# Altium PCB MAIN_BORAD.PcbDoc (part 2 of 3)
Units mm, origin at the board's own origin, x right, y up, seen from the top; angles counter-clockwise.
Board outline 92 x 100 mm, 2 copper layers (Top Layer, Bottom Layer), stack 1.471 mm thick; 222 components, 159 nets, 798 pads, 557 vias.
Unrouted connection lines stored in the file: 1.
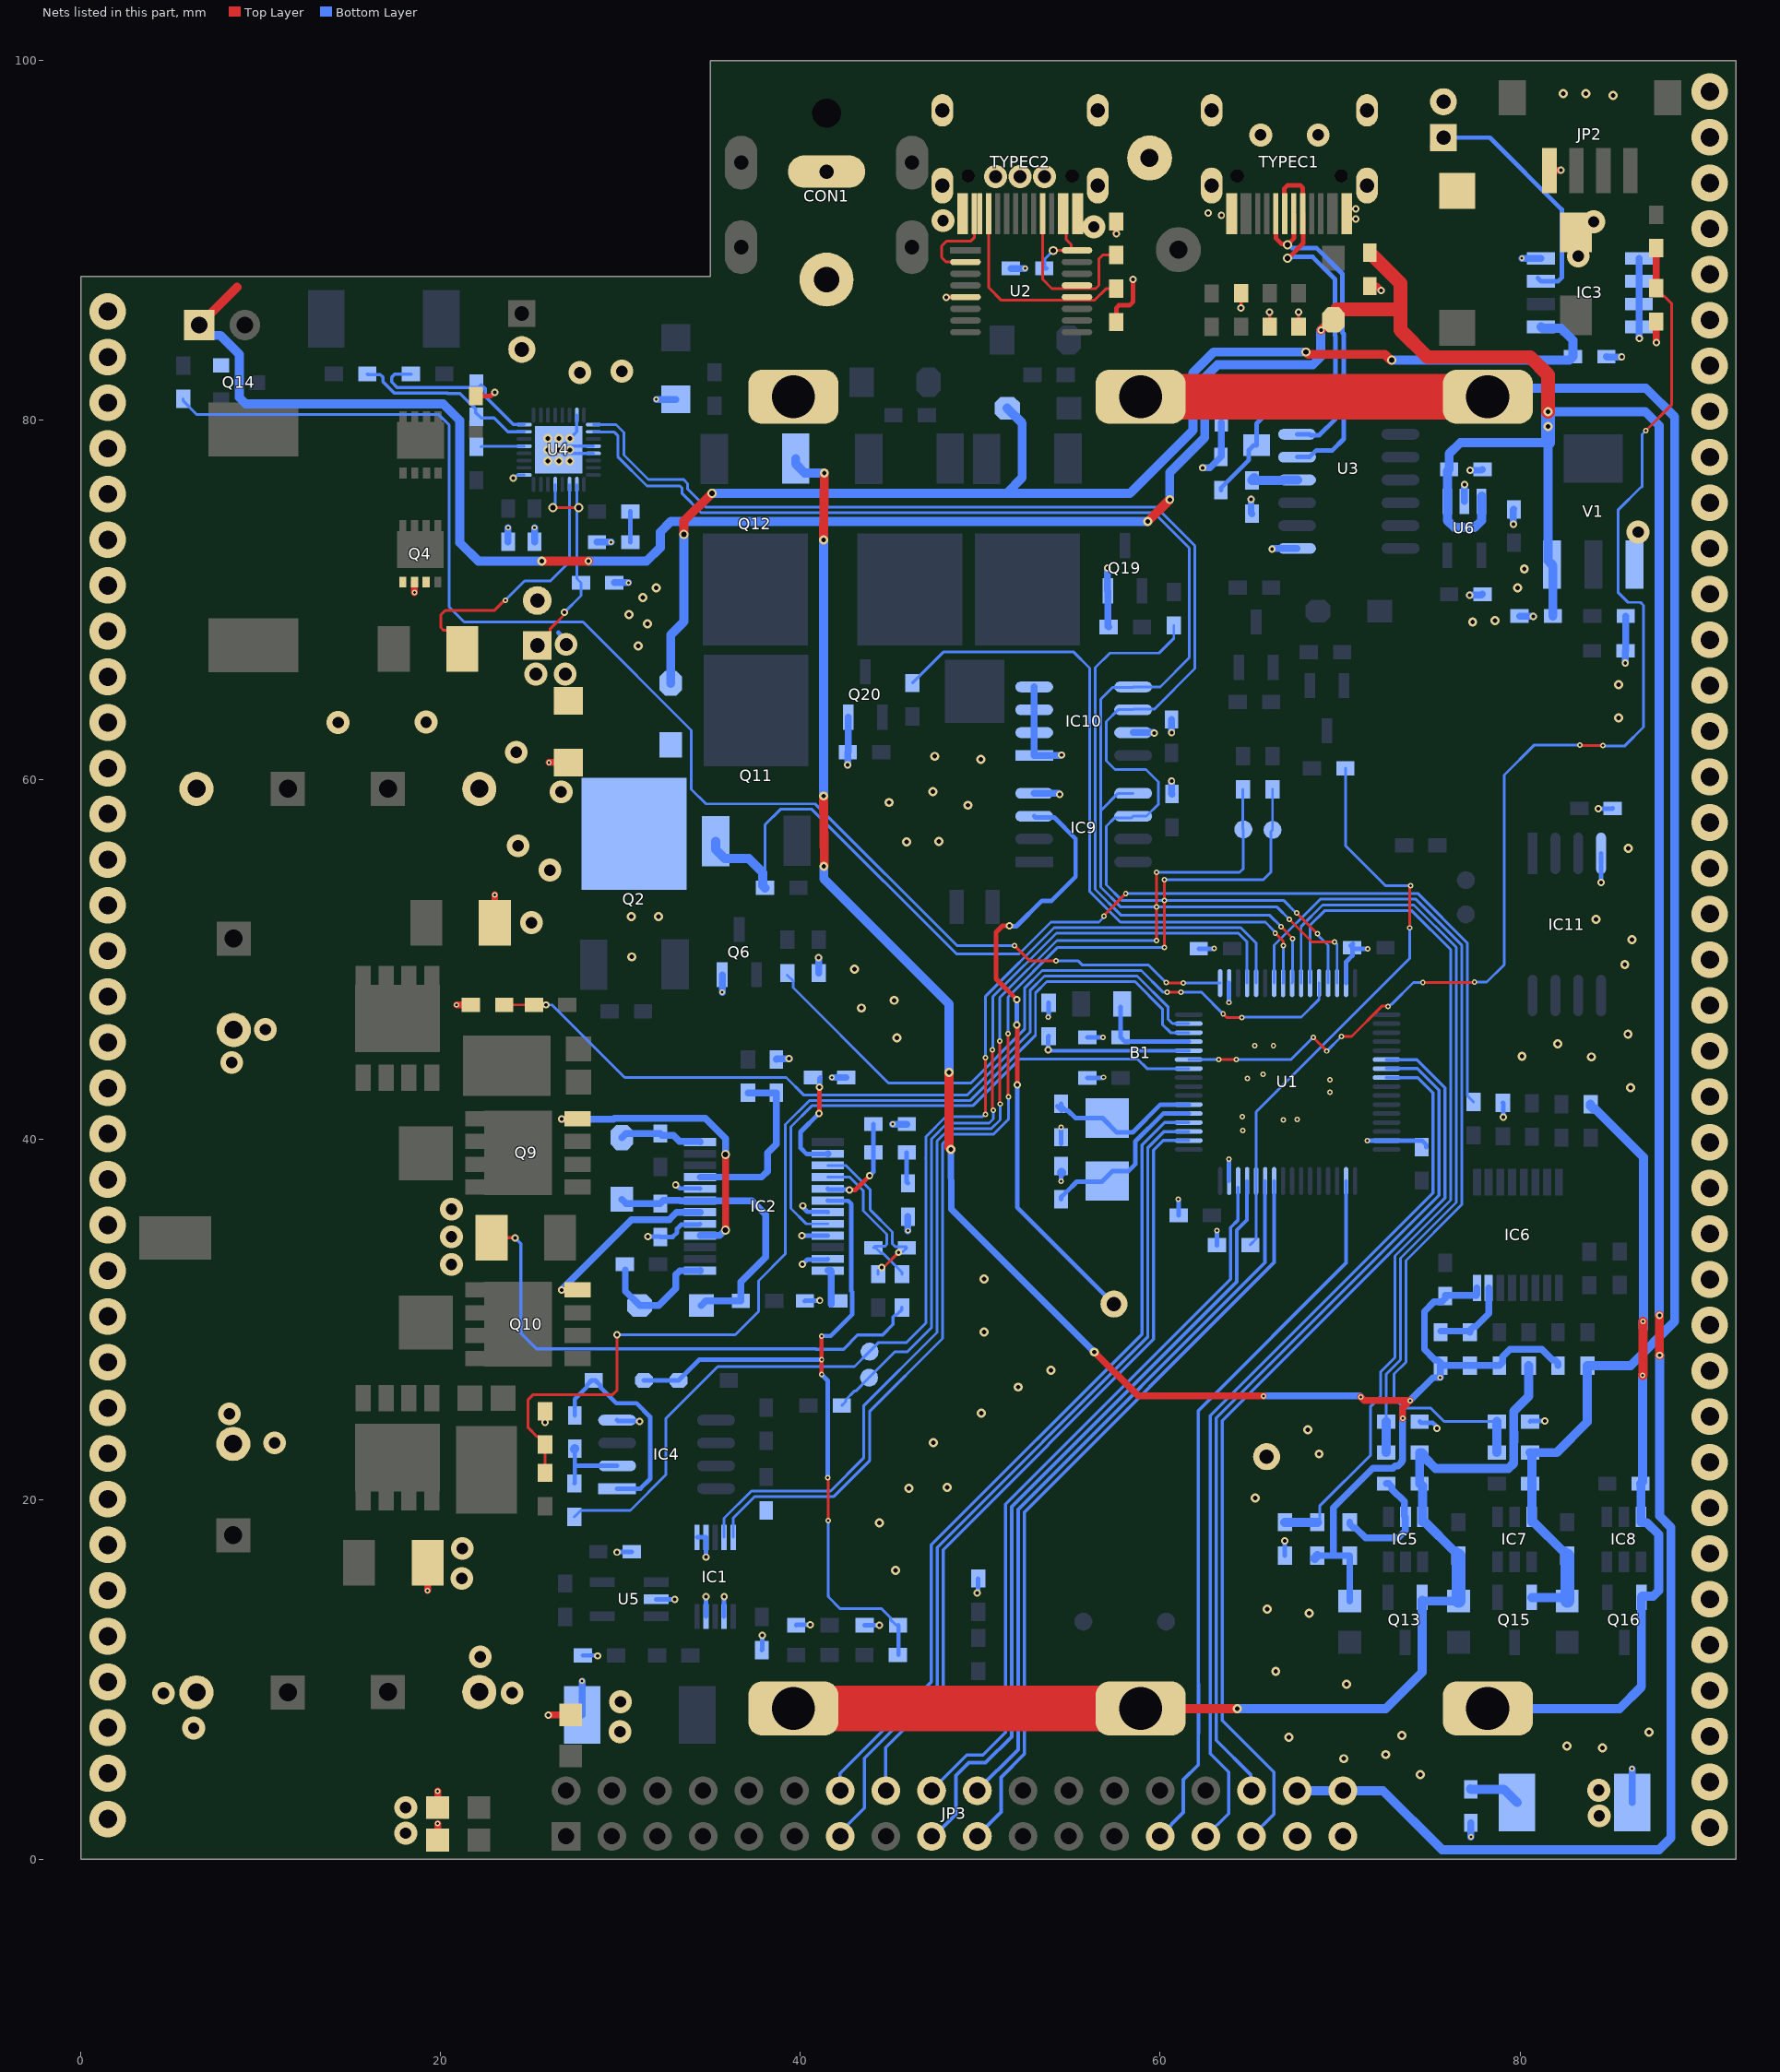
[diagram p2: the nets of this part, all layers, seen from the top]

## Via types
v1: diameter 0.305, hole 0.152, Top Layer to Bottom Layer, 193 vias
v2: diameter 0.508, hole 0.254, Top Layer to Bottom Layer, 114 vias
v3: diameter 0.406, hole 0.203, Top Layer to Bottom Layer, 102 vias
v4: diameter 2.032, hole 1.016, Top Layer to Bottom Layer, 73 vias
v5: diameter 1.27, hole 0.635, Top Layer to Bottom Layer, 35 vias
v6: diameter 0.508, hole 0.305, Top Layer to Bottom Layer, 25 vias
v7: diameter 1.27, hole 0.711, Top Layer to Bottom Layer, 14 vias
v8: diameter 0.762, hole 0.381, Top Layer to Bottom Layer, 1 vias

## Nets (pads, with @x,y where several pads share a name; then routed paths per layer and width w, separated by ;. In a path a pad name is that pad's centre, name@x,y a point inside that pad or via, vN(x,y) a via of type N, cw(c..) or ccw(c..) an arc to the next point about the centre after c; other vN are vias at no path point) (continued)
5V: C37.1 C46.2 C55.2 D1.2 E7.1 FAN.1 IC3.3 JP3.34 JP3.36 L3.2 U6.1 U6.3 V1.3 | length 253
  Top Layer w0.508: FAN.1@6.579,85.293 8.675,87.39 ; v2(25.629,72.161) v3(28.219,72.161) ; v2(59.309,74.371) v2(60.528,75.59) ; v3(68.936,85.014) 69.063,85.141 69.072,85.141 69.516,85.585 D1.2@69.621,85.585 ; v3(87.75,30.226) 87.75,28.023 v3(87.757,28.016)
  Top Layer w0.762: D1.2@69.814,86.157 73.355,86.157 ; C37.1@71.653,89.319 71.653,89.192 71.78,89.192 73.355,87.617 73.355,86.157 ; v2(81.559,80.467) 81.559,82.525 80.569,83.515 74.854,83.515 73.355,85.014 73.355,86.157
  Bottom Layer w0.254: E7.1@75.743,95.714 78.327,95.714 82.321,91.719 82.321,87.926 82.118,87.723 81.172,87.723 IC3.3@81.164,87.732 IC3.3@80.995,87.9
  Bottom Layer w0.508: FAN.1@6.579,85.293 7.155,84.717 7.764,84.717 8.814,83.668 8.814,81.267 9.176,80.905 20.136,80.905 21.057,79.985 21.057,73.203 22.098,72.161 v2(25.629,72.161) ; v3(28.219,72.161) 31.445,72.161 32.207,72.923 32.207,73.787 32.791,74.371 v2(59.309,74.371) ; v2(60.528,75.59) 60.528,77.089 62.473,79.034 62.473,82.367 63.189,83.083 68.48,83.083 68.924,83.527 68.924,85.002 v3(68.936,85.014) ; JP3.34@67.615,3.81 JP3.36@70.155,3.81 72.39,3.81 75.667,0.533 87.732,0.533 88.392,1.194 88.392,18.44 87.757,19.075 v3(87.757,28.016) ; E7.1@75.247,95.218 E7.1@75.743,95.714 ; U6.3@77.882,75.783 77.861,75.762 U6.3@77.861,75.49 77.861,74.432 77.47,74.041 76.352,74.041 75.961,74.432 U6.1@75.961,75.49 75.961,77.168 C55.2@76.06,77.267 76.06,78.143 76.683,78.765 81.559,78.765 81.559,72.191 V1.3@81.774,71.976 81.826,71.924 C46.2@81.826,69.113 ; v2(81.559,80.467) 86.97,80.467 87.732,79.705 87.732,30.245 v3(87.75,30.226)
  Bottom Layer w0.762: 81.559,78.765 v2(81.559,79.654) v2(81.559,80.467)
AGND: B2.2 C1.1 C2.1 C3.2 C4.1 C5.1 C7.1 C8.2 C9.1 C11.2 C12.1 C13.1 C14.1 C18.1 C20.1 C21.2 C23.1 C29.2 C30.2 C31.2 C32.1 C34.2 C35.2 C36.2 C37.2 C38.2 C39.2 C45.1 C46.1 C47.1 C53.1 C54.1 C55.1 C56.1 CON1.2 D7.1 E1.2 E2.2 E3.2 E4.2 E5.2 E6.2 E7.2 E8.2 E9.2 EK1.1 EK2.1 EK3.2 EK4.2 IC1.1 IC1.2 IC1.7 IC1.9 IC2.7 IC2.9 IC2.11 IC2.17 IC2.20 IC3.4 IC3.5 IC3.6 IC3.7 IC3.8 IC4.4 IC9.4 IC10.1 IC10.2 IC10.3 IC10.4 IC10.7 IC11.4 JP2.4 JP3.33 JP3.35 NTC1.1 NTC2.1 Q4.1 Q4.2 Q4.3 Q6.2 Q14.2 Q19.2 Q20.2 R3.2 R9.2 R13.1 R17.1 R22.2 R26.1 R27.1 R30.1 R32.2 R33.1 R47.1 R52.1 R54.2 R58.1 R63.2 R64.2 R66.2 R67.2 R68.2 R72.1 R73.2 R74.1 TYPEC1.0 TYPEC1.A1 TYPEC1.A12 TYPEC1.B1 TYPEC1.B12 TYPEC2.0 TYPEC2.A1 TYPEC2.A12 TYPEC2.B1 TYPEC2.B12 U1.12 U2.5 U3.1 U4.7 U4.12 U4.13 U4.25 U4.33 U5.2 U6.2 V1.1 | length 140.8
  Top Layer w0.178: R17.1@22.835,34.544 v3(24.13,34.544) ; v3(25.806,24.282) NTC1.1@25.806,24.905 ; v3(64.491,86.233) R64.2@64.491,87.058 ; v3(66.065,86.004) 66.091,85.979 R74.1@66.091,85.204 ; R73.2@67.691,85.204 v3(67.691,86.004)
  Top Layer w0.203: U2.5@49.143,86.817 U2.5@49.173,86.848
  Top Layer w0.254: C11.2@21.958,81.343 22.787,81.343 23.003,81.559 v3(23.012,81.559) ; v3(48.108,86.843) 48.113,86.848 U2.5@49.173,86.848 ; R9.2@57.556,85.458 57.556,86.237 57.705,86.385 58.293,86.385 58.496,86.589 v3(58.496,87.824)
  Top Layer w0.381: v1(18.547,70.417) 18.547,70.454 Q4.2@18.547,70.997 ; v1(19.279,14.935) EK1.1@19.279,16.485 ; C3.2@19.837,1.067 v1(19.837,1.981) ; C35.2@19.837,2.87 v1(19.837,3.785) ; v1(20.892,47.498) NTC2.1@21.679,47.498 ; EK2.1@23.012,52.07 v1(23.012,53.619) ; v3(25.984,8.001) 25.991,8.001 26.016,8.026 C38.2@27.229,8.026 ; v1(26.022,60.973) EK3.2@27.102,60.973 ; v3(57.556,90.373) R3.2@57.556,91.046 ; C37.2@71.653,87.465 72.031,87.465 v3(72.288,87.208) ; JP2.4@81.637,93.878 81.662,93.904 v3(82.271,93.904) ; v3(87.579,84.328) R32.2@87.579,85.484
  Bottom Layer w0.152: v3(24.028,76.784) 24.054,76.784 24.205,76.935 24.282,76.935 24.306,76.959 U4.25@24.643,76.959
  Bottom Layer w0.178: v3(24.13,34.544) 24.46,34.214 24.46,29.251 25.339,28.372 40.861,28.372 40.874,28.359 42.405,28.359 43.18,29.134 44.162,29.134 44.175,29.146 44.571,29.146 45.148,29.724 45.148,30.147 45.253,30.251 45.333,30.251 45.644,30.562 R22.2@45.644,30.67 ; U4.7@27.568,80.284 27.568,79.359 U4.33@26.768,78.559 ; U4.13@28.493,78.159 26.768,78.159 v2(26.568,78.359) U4.33@26.768,78.559 ; U4.12@28.493,78.559 U4.33@26.768,78.559
  Bottom Layer w0.203: v3(53.772,45.009) 53.811,44.97 53.954,44.97 53.969,44.956 U1.12@61.582,44.956
  Bottom Layer w0.254: R33.1@27.902,11.328 28.702,11.328 v3(28.727,11.303) ; v3(29.794,17.069) 29.82,17.094 C36.2@30.62,17.094 ; IC4.4@29.813,24.409 29.86,24.362 31.035,24.362 v3(31.064,24.333) ; v3(31.521,34.608) 32.194,34.608 C32.1@32.207,34.595 32.899,34.595 33.142,34.838 33.142,35.054 33.365,35.278 34.379,35.278 IC2.17@34.423,35.322 ; U5.2@31.98,14.453 v3(33.02,14.453) ; v3(33.071,37.49) 33.122,37.44 33.147,37.44 33.291,37.296 34.399,37.296 IC2.20@34.423,37.272 ; IC1.1@34.255,17.897 IC1.2@34.755,17.897 34.755,16.797 v3(34.747,16.789) ; IC1.9@34.755,13.497 v3(34.755,14.592) ; IC1.7@35.755,13.497 35.755,14.597 v3(35.763,14.605) ; C18.1@37.846,11.62 37.871,11.646 v3(37.871,12.446) ; R52.1@39.764,13.007 39.787,13.03 v3(40.538,13.03) ; v3(40.081,34.671) IC2.9@41.523,34.672 ; v3(40.107,33.071) 40.118,33.071 40.393,33.346 41.497,33.346 IC2.11@41.523,33.372 ; v3(40.132,36.322) 40.132,36.271 40.157,36.246 40.157,36.22 40.391,35.987 41.508,35.987 IC2.7@41.523,35.972 ; C34.2@40.246,31.039 40.272,31.064 v3(41.072,31.064) ; R27.1@43.574,13.007 44.397,13.007 v3(44.399,13.005) ; v3(49.835,14.808) 49.886,14.859 R63.2@49.886,15.608 ; v3(53.772,45.009) 53.772,45.733 R26.1@53.797,45.758 ; R66.2@66.929,16.878 v3(66.929,17.704) ; R67.2@74.422,24.333 74.502,24.253 75.162,24.253 75.311,24.105 75.311,24.07 75.387,23.993 v3(75.387,23.952) ; R47.1@79.045,42.05 79.07,42.024 v3(79.07,41.25) ; R68.2@80.562,24.333 80.588,24.359 v3(81.382,24.359) ; v3(84.353,58.395) 85.128,58.395 C21.2@85.153,58.42 ; v3(84.506,54.305) IC11.4@84.506,55.918
  Bottom Layer w0.381: C12.1@23.749,73.241 v1(23.749,74.028) ; C13.1@25.222,73.241 v1(25.222,74.028) ; R30.1@27.864,8.026 27.864,9.869 v1(27.864,9.906) ; C8.2@28.689,73.228 v1(29.477,73.228) ; C14.1@29.654,70.968 v1(30.442,70.968) ; v1(31.991,81.166) EK4.2@33.071,81.166 ; v1(35.651,48.195) 35.651,48.231 Q6.2@35.651,49.174 ; C31.2@38.659,44.463 38.692,44.496 39.365,44.496 v3(39.37,44.501) ; v3(41.011,50.114) 41.011,49.273 R13.1@41.021,49.263 ; v1(41.758,43.459) C23.1@42.545,43.459 ; v3(42.621,60.833) 42.626,60.838 42.626,61.536 R72.1@42.634,61.544 42.662,61.572 Q20.2@42.662,63.5 ; v1(45.123,40.869) C30.2@45.91,40.869 ; v1(45.974,34.938) C29.2@45.974,35.725 ; C5.1@51.702,88.443 v1(52.489,88.443) ; IC9.4@52.996,59.258 54.356,59.258 v3(54.407,59.207) ; IC10.4@52.996,65.176 IC10.3@52.996,63.906 IC10.2@52.996,62.636 IC10.1@52.996,61.366 54.483,61.366 v3(54.508,61.392) ; v3(57.074,71.78) 57.074,70.526 Q19.2@57.089,70.511 57.089,68.552 R58.1@57.137,68.504 ; IC10.7@58.496,62.636 59.639,62.636 v3(59.665,62.611) ; v3(60.63,59.944) 60.635,59.939 60.635,59.241 C2.1@60.655,59.22 ; v3(60.63,62.636) C7.1@60.63,63.36 ; v3(62.357,77.359) 62.767,77.359 C9.1@63.373,77.965 63.398,77.991 C20.1@63.398,79.87 ; v3(65.049,75.616) 65.049,74.854 C4.1@65.1,74.803 ; v3(66.218,72.847) 66.225,72.847 66.25,72.873 U3.1@67.608,72.873 ; U6.2@76.911,75.49 v3(76.911,76.429) ; v3(77.191,70.282) 77.864,70.282 C54.1@77.915,70.333 ; v3(77.216,77.216) 77.221,77.221 77.869,77.221 C55.1@77.915,77.267 ; v1(77.267,1.232) C53.1@77.267,2.019 ; v3(79.629,74.219) 79.634,74.224 79.634,75.024 C56.1@79.654,75.044 ; C46.1@79.972,69.113 80.721,69.113 v3(80.747,69.088) ; v1(80.11,89.002) IC3.4@81.164,89.002 ; C1.1@84.798,83.541 84.818,83.52 85.644,83.52 v3(85.649,83.515) ; v3(85.852,66.497) 85.857,66.502 85.857,67.175 C45.1@85.865,67.183 85.877,67.196 C47.1@85.877,69.113 ; R54.2@86.233,3.15 86.233,4.993 v1(86.233,5.029) ; IC3.5@86.614,89.002 IC3.6@86.614,87.732 IC3.7@86.614,86.462 IC3.8@86.614,85.192 86.614,84.582 v3(86.639,84.557)
  other v2: 74.458,4.699 70.206,5.588 72.542,5.817 84.582,6.198 82.601,6.299 67.158,6.782 73.431,6.883 87.173,7.061 70.358,9.728 66.421,10.452 68.275,13.677 65.938,13.894 45.288,16.053 44.399,18.706 65.278,20.091 46.025,20.625 48.158,20.676 68.831,22.53 47.396,23.157 68.207,23.876 50.063,24.794 52.095,26.246 53.923,27.178 50.209,29.312 50.216,32.258 86.157,42.901 83.967,44.602 80.112,44.64 82.093,45.339 45.364,45.669 86.004,45.872 43.383,47.32 45.212,47.752 43.002,49.49 85.827,49.733 30.632,50.165 86.233,51.13 84.226,52.248 30.607,52.4 32.106,52.4 86.01,56.21 45.898,56.566 47.701,56.591 49.322,58.598 44.933,58.75 47.371,59.358 50.038,61.138 47.473,61.316 85.471,63.449 85.471,65.303 30.988,67.462 31.496,68.682 77.368,68.783 78.613,68.859 30.48,69.19 31.233,70.155 31.991,70.688 79.858,70.688 80.239,71.73 25.959,77.724 26.568,77.724 27.178,77.724 25.959,78.359 27.178,78.359 25.959,78.994 26.568,78.994 27.178,78.994 85.166,98.069 82.398,98.171 83.668,98.171
  other v3: 70.866,91.186 63.398,91.389 62.667,91.516 70.866,91.745
  other v4: 90.551,1.753 1.499,2.235 90.551,4.293 1.499,4.775 90.551,6.833 1.499,7.315 90.551,9.373 1.499,9.855 90.551,11.913 1.499,12.395 90.551,14.453 1.499,14.935 90.551,16.993 1.499,17.475 90.551,19.533 1.499,20.015 90.551,22.073 1.499,22.555 90.551,24.613 1.499,25.095 90.551,27.153 1.499,27.635 90.551,29.693 1.499,30.175 90.551,32.233 1.499,32.715 90.551,34.773 1.499,35.255 90.551,37.313 1.499,37.795 90.551,39.853 1.499,40.335 90.551,42.393 1.499,42.875 90.551,44.933 1.499,45.415 90.551,47.473 1.499,47.955 90.551,50.013 1.499,50.495 90.551,52.553 1.499,53.035 90.551,55.093 1.499,55.575 90.551,57.633 1.499,58.115 90.551,60.173 1.499,60.655 90.551,62.713 1.499,63.195 90.551,65.253 1.499,65.735 90.551,67.793 1.499,68.275 90.551,70.333 1.499,70.815 90.551,72.873 1.499,73.355 90.551,75.413 1.499,75.895 90.551,77.953 1.499,78.435 90.551,80.493 1.499,80.975 90.551,83.033 1.499,83.515 90.551,85.573 1.499,86.055 90.551,88.113 90.551,90.653 90.551,93.193 90.551,95.733 90.551,98.273
  other v5: 18.059,1.448 84.404,2.413 18.059,2.87 84.379,3.835 29.972,7.087 6.274,7.29 29.997,8.75 4.597,9.22 23.978,9.246 22.2,11.252 21.184,15.608 21.209,17.272 10.77,23.139 8.255,24.765 20.599,33.071 20.599,34.608 20.599,36.144 8.382,44.298 10.262,46.126 25.044,52.07 26.077,54.991 24.308,56.337 26.695,59.334 24.206,61.544 14.3,63.195 19.191,63.221 86.563,73.787 27.737,82.65 30.074,82.728 83.236,89.129 56.312,90.754 84.099,91.034 47.93,91.097 65.583,95.86 68.783,95.86
BAT1: R59.2 R66.1 U1.27 | length 49
  Bottom Layer w0.152: U1.27@68.331,48.705 68.331,51.928 69.133,52.73 73.99,52.73 76.149,50.571 76.149,36.635 73.05,33.536 73.05,27.889 72.263,27.102 72.263,25.738 71.697,25.171 71.697,22.472 68.878,19.653 68.878,18.878 R59.2@68.732,18.733
  Bottom Layer w0.508: R66.1@66.929,18.733 R59.2@68.732,18.733
BAT1+: B1.1 C42.1 C43.1 C44.1 C48.1 IC6.16 Q12.3 R35.1 R36.1 R42.1 R59.1 | length 109.2
  Top Layer w0.381: v2(56.337,28.194) 58.776,25.756 v1(65.735,25.756) ; v1(71.145,25.705) 71.349,25.502 v1(73.889,25.502) 73.482,25.095 v1(73.482,24.511)
  Top Layer w0.508: v2(41.282,59.11) 41.326,55.22 v2(41.3,55.194) ; v2(41.282,73.36) v2(41.326,77.064) ; v2(48.26,43.739) 48.26,39.573 v2(48.362,39.472)
  Bottom Layer w0.381: v2(48.362,39.472) 48.387,36.144 v2(56.337,28.194) ; v1(65.735,25.756) 71.095,25.756 v1(71.145,25.705) ; R59.1@68.732,16.878 69.621,16.878 ; R35.1@70.536,14.351 R36.1@70.536,16.878 69.621,16.878 ; v1(73.482,24.511) 73.482,22.174 73.419,22.111 73.419,22.064 73.218,21.863 73.05,21.863 72.93,21.742 71.819,21.742 69.621,19.545 69.621,16.878 ; v1(73.889,25.502) 75.159,26.772 v1(75.565,26.772) 75.565,27.419 C42.1@75.59,27.445 ; IC6.16@77.608,31.758 77.608,31.391 77.573,31.356 75.844,31.356 C48.1@75.844,31.305 75.844,31.181 75.654,30.99 75.224,30.99 74.689,30.455 74.689,28.346 75.273,27.762 75.4,27.762 75.59,27.572 C42.1@75.59,27.445 ; C44.1@82.113,27.445 82.113,27.572 81.923,27.762 81.796,27.762 81.211,28.346 79.451,28.346 79.042,27.937 79.042,27.635 C43.1@78.852,27.445 C42.1@75.59,27.445
  Bottom Layer w0.508: Q12.3@39.737,77.871 39.737,77.572 40.245,77.064 v2(41.326,77.064) ; v2(41.282,59.11) v2(41.282,73.36) ; v2(41.3,55.194) 41.3,54.508 48.26,47.549 v2(48.26,43.739) ; R59.1@68.586,16.732 R59.1@68.732,16.878
BAT2: R60.2 R67.1 U1.26 | length 42.9
  Bottom Layer w0.152: U1.26@67.831,48.705 67.831,51.859 69.019,53.048 74.104,53.048 76.454,50.698 76.454,36.509 73.355,33.41 73.355,27.763 72.568,26.976 R67.1@72.568,24.333
  Bottom Layer w0.508: R60.2@72.568,22.606 R67.1@72.568,24.333
BAT2+: B1.2 B1.4 C41.1 IC5.3 Q13.2 R43.1 R45.1 R49.1 R60.1 | length 62.7
  Top Layer w0.508: B1.4@58.907,8.375 v2(64.287,8.375)
  Top Layer w2.54: B1.2@39.607,8.375 B1.4@58.907,8.375
  Bottom Layer w0.508: v2(64.287,8.375) 72.536,8.375 74.559,10.399 74.559,14.397 74.605,14.351 R45.1@76.581,14.351 ; R49.1@76.581,16.878 76.581,16.986 76.435,17.132 76.327,17.132 74.75,18.709 74.631,18.709 74.585,18.755 IC5.3@74.585,19.03 74.585,20.752 74.458,20.879 C41.1@74.422,20.879 R60.1@74.422,22.606 74.53,22.606 74.676,22.46 74.676,22.352 75.311,21.717 79.35,21.717 79.648,22.015 79.648,23.174 79.671,23.197 79.671,23.724 79.648,23.746 79.648,24.902 80.482,25.736 R43.1@80.482,27.445
  Bottom Layer w0.762: R45.1@76.581,14.351 R49.1@76.581,16.878
BAT3: R61.2 R68.1 U1.23 | length 49.4
  Bottom Layer w0.152: U1.23@66.331,48.705 66.331,50.817 67.618,52.104 67.629,52.104 68.916,53.391 74.192,53.391 76.759,50.824 76.759,36.382 73.66,33.284 73.66,27.637 73,26.976 73,25.629 73.558,25.07 75.044,25.07 75.781,24.333 R68.1@78.708,24.333
  Bottom Layer w0.508: R61.2@78.708,22.606 R68.1@78.708,24.333
BAT3+: B1.3 B1.5 C52.1 IC7.3 Q15.2 R44.1 R55.1 R61.1 R62.1 | length 105
  Top Layer w2.54: B1.3@58.907,81.305 B1.5@78.207,81.305
  Bottom Layer w0.508: B1.5@78.207,81.305 78.689,81.788 86.995,81.788 88.595,80.188 88.595,29.896 86.144,27.445 R44.1@83.744,27.445 83.744,24.308 82.042,22.606 R61.1@80.562,22.606 80.655,22.513 IC7.3@80.655,19.03 80.655,18.755 80.701,18.709 80.796,18.709 82.372,17.132 82.48,17.132 82.626,16.986 R62.1@82.626,16.878 ; Q15.2@80.655,14.554 82.423,14.554 R55.1@82.626,14.351
  Bottom Layer w0.762: R55.1@82.626,14.351 R62.1@82.626,16.878
BAT+: C14.2 D6.1 E2.1 EK3.1 Q2.2 Q11.3 R7.2 R38.1 R39.1 U4.18 U4.19 U4.21 | length 91.3
  Top Layer w0.152: R7.2@21.209,67.285 21.209,67.5 20.396,68.313 20.181,68.313 20.015,68.478 20.015,69.19 20.244,69.418 22.977,69.418 23.561,70.002 v1(23.602,70.002) ; E2.1@25.375,67.477 26.077,68.179 26.077,68.393 26.825,69.141 26.825,69.268 v3(26.873,69.317) ; v6(26.238,75.133) v6@27.762,75.133 ; v1(56.871,52.426) 56.871,52.476 v1(58.09,53.696)
  Bottom Layer w0.152: v1(23.602,70.002) 24.669,71.069 26.102,71.069 27.168,72.136 U4.19@27.168,76.434 ; v6(26.238,75.133) 26.368,75.263 U4.21@26.368,76.434 ; v3(26.873,69.317) 27.8,70.244 C14.2@27.8,70.968 27.568,71.199 U4.18@27.568,76.434 ; R39.1@38.036,54 38.036,57.518 38.887,58.369 40.64,58.369 48.679,50.33 52.158,50.33 53.923,52.095 56.592,52.095 56.794,52.298 56.794,52.308 56.871,52.384 v1(56.871,52.426) ; v1(58.09,53.696) 74.318,53.696 77.064,50.95 77.064,42.456 R38.1@77.419,42.1
  Bottom Layer w0.254: 26.543,68.195 26.975,67.764 v7(26.975,67.539)
  Bottom Layer w0.508: Q11.3@35.287,56.597 35.287,56.134 35.795,55.626 37.135,55.626 37.914,54.847 37.914,54.123 R39.1@38.036,54
  other v6: 27.686,75.133
  other v7: 25.298,65.888 26.924,65.888
BAT_TEMP: BAT_TEMP.2 R32.1 U1.11 | length 69.1
  Top Layer w0.152: v1(63.259,44.456) 64.231,44.456 v1(64.237,44.45) ; v1(68.504,45.695) v1(69.266,44.933) ; v1(70.079,45.745) 70.637,45.745 72.314,47.422 72.66,47.422 v1(72.669,47.412) ; v1(74.6,48.743) 77.445,48.743 v1(77.47,48.768) ; v1(83.337,61.951) 83.363,61.925 v1(84.607,61.925) ; v1(86.995,79.426) 88.417,80.848 88.417,86.5 88.011,86.906 87.903,86.906 87.579,87.23 R32.1@87.579,87.338
  Top Layer w0.381: R32.1@87.579,87.338 BAT_TEMP.2@87.579,89.573
  Bottom Layer w0.152: U1.11@61.582,44.456 v1(63.259,44.456) ; v1(64.237,44.45) 67.259,44.45 v1(68.504,45.695) ; v1(69.266,44.933) v1(70.079,45.745) ; v1(72.669,47.412) 72.711,47.412 72.822,47.523 72.853,47.523 74.072,48.743 v1(74.6,48.743) ; v1(77.47,48.768) 78.156,48.768 79.121,49.733 79.121,60.274 80.797,61.951 v1(83.337,61.951) ; v1(84.607,61.925) 84.633,61.9 85.827,61.9 86.868,62.941 86.868,69.71 86.703,69.875 86.004,69.875 85.446,70.434 85.446,75.008 86.739,76.302 86.792,76.302 86.792,79.223 v1(86.995,79.426)
BD1_TEMP: NTC2.2 R31.1 U1.15 | length 45.7
  Top Layer w0.152: NTC2.2@23.533,47.498 R31.1@25.184,47.498 v3(25.857,47.498)
  Bottom Layer w0.152: v3(25.857,47.498) 26.187,47.498 30.23,43.456 39.207,43.456 40.169,42.494 49.281,42.494 52.762,45.975 52.762,48.296 53.565,49.098 58.724,49.098 60.427,47.396 60.427,46.711 60.682,46.456 U1.15@61.582,46.456
BD2_TEMP: NTC1.2 R29.1 U1.14 | length 61
  Top Layer w0.152: R29.1@25.806,21.476 NTC1.2@25.806,23.05 25.806,23.158 25.483,23.482 25.375,23.482 24.867,23.99 24.867,25.552 25.146,25.832 29.566,25.832 29.794,26.06 v3(29.794,29.159)
  Bottom Layer w0.152: v3(29.794,29.159) 36.373,29.159 37.668,30.455 37.668,32.156 39.167,33.655 39.167,40.842 40.514,42.189 49.449,42.189 53.067,45.807 53.067,48.169 53.691,48.793 58.598,48.793 60.122,47.269 60.122,46.406 60.572,45.956 U1.14@61.582,45.956
BEEP: JP3.27 U1.50 | length 40.7
  Bottom Layer w0.203: JP3.27@59.969,1.27 61.29,2.591 61.29,4.42 62.116,5.245 62.116,5.453 62.116,7.018 62.118,7.02 62.118,9.731 62.116,9.733 62.116,12.771 62.116,24.766 62.116,24.936 70.331,33.152 U1.50@70.331,37.706
BG1: IC2.18 Q10.4 | length 10.4
  Top Layer w0.381: v3(26.721,31.648) Q10.4@27.608,31.648
  Bottom Layer w0.381: v3(26.721,31.648) 30.62,35.547 32.703,35.547 33.113,35.958 34.409,35.958 IC2.18@34.423,35.972
BG2: IC2.16 Q9.4 | length 17.1
  Top Layer w0.381: v3(26.721,41.148) 26.726,41.153 27.587,41.153 Q9.4@27.608,41.173 ; v6(35.839,34.976) v6(35.839,39.176)
  Bottom Layer w0.381: v3(26.721,41.148) 29.601,41.148 29.652,41.199 34.712,41.199 35.839,40.071 v6(35.839,39.176) ; IC2.16@34.423,34.672 35.518,34.672 35.822,34.976 v6(35.839,34.976)
BOOST1: C16.2 D4.2 IC2.24 | length 4.6
  Bottom Layer w0.381: D4.2@30.074,40.119 30.302,40.348 C16.2@32.207,40.348 32.311,40.244 32.937,40.244 33.28,39.9 34.394,39.9 IC2.24@34.423,39.872
BOOST2: C15.2 D3.2 IC2.13 | length 6.9
  Bottom Layer w0.381: C15.2@30.264,32.766 30.264,31.585 D3.2@31.064,30.785 32.131,30.785 33.071,31.725 33.071,32.497 33.294,32.72 34.421,32.72 IC2.13@34.423,32.722 IC2.13@34.437,32.708
BOOT: R10.2 R19.2 U1.60 | length 32.5
  Top Layer w0.152: v1(73.876,51.778) v1@73.876,54.127
  Bottom Layer w0.152: R19.2@65.011,34.163 65.331,34.483 U1.60@65.331,37.706 65.331,41.549 73.863,50.081 73.863,51.765 v1(73.876,51.778) ; R10.2@70.294,60.655 70.307,60.642 70.307,56.337 72.517,54.127 v1(73.914,54.127)
CC1: R3.1 TYPEC2.A5 U2.13 | length 9.6
  Top Layer w0.152: TYPEC2.A5@53.461,91.485 53.461,87.839 53.98,87.32 55.38,87.32 56.408,87.32 56.591,87.503 56.591,88.976 56.807,89.192 R3.1@57.556,89.192
CC2: R9.1 TYPEC2.B5 U2.12 | length 11.8
  Top Layer w0.152: TYPEC2.B5@50.461,91.485 50.461,87.385 51.176,86.67 55.399,86.67 ; U2.12@55.38,86.688 56.361,86.688 56.985,87.312 R9.1@57.556,87.312
D_N: TYPEC1.A7 TYPEC1.B7 U3.6 | length 20.3
  Top Layer w0.254: TYPEC1.A7@66.923,91.485 66.904,91.505 66.904,92.888 67.081,93.066 67.775,93.066 67.923,92.917 TYPEC1.B7@67.923,91.485 ; v6@67.107,89.002 67.945,89.84 TYPEC1.B7@67.945,91.485
  Bottom Layer w0.254: v6(67.079,89.002) 67.128,89.05 67.308,89.05 67.335,89.078 68.476,89.078 69.723,87.831 69.723,84.709 69.748,84.684 69.748,80.086 68.834,79.172 68.349,79.172 68.299,79.223 U3.6@67.608,79.223
D_P: TYPEC1.A6 TYPEC1.B6 U3.5 | length 20
  Top Layer w0.254: TYPEC1.B6@66.423,91.485 66.423,90.119 66.748,89.795 67.076,89.795 v6@67.093,89.777 ; v6(67.079,89.764) v6@67.093,89.777 ; TYPEC1.A6@67.437,91.499 TYPEC1.A6@67.423,91.485 67.423,90.108 v6@67.093,89.777
  Bottom Layer w0.254: v6(67.079,89.764) 67.148,89.764 67.326,89.586 68.687,89.586 70.129,88.143 70.129,84.878 70.204,84.804 70.204,78.961 69.576,78.334 68.68,78.334 68.299,77.953 U3.5@67.608,77.953
DAC_I: DAC_I.1 R37.1 U1.21 | length 65.8
  Top Layer w0.152: v1(50.292,41.416) v1(50.292,44.552)
  Bottom Layer w0.152: R37.1@27.432,19.037 27.788,19.393 30.543,19.393 32.512,21.361 32.512,24.486 35.408,27.381 43.002,27.381 DAC_I.1@43.84,28.219 44.348,28.727 45.898,28.727 46.99,29.82 46.99,38.989 ; 46.965,38.964 46.99,38.989 ; v1(50.292,41.416) 50.267,41.416 50.127,41.275 48.082,41.275 46.99,40.183 46.99,38.989 ; v1(50.292,44.552) 50.292,47.981 54.102,51.791 64.473,51.791 65.331,50.932 U1.21@65.331,48.705
DAC_V: DAC_V.1 R50.1 U1.20 | length 46.2
  Top Layer w0.152: v1(50.673,44.991) 50.673,41.681 v1(50.724,41.631)
  Bottom Layer w0.152: R50.1@42.304,25.222 42.52,25.438 42.52,25.547 42.993,26.021 43.064,26.021 DAC_V.1@43.815,26.772 45.263,28.219 45.949,28.219 47.295,29.566 47.295,40.057 48.158,40.919 50.485,40.919 50.724,41.158 v1(50.724,41.631) ; v1(50.673,44.991) 50.692,44.991 50.698,44.997 50.698,47.956 54.228,51.486 64.346,51.486 64.831,51.001 U1.20@64.831,48.705
DGND: C17.1 C19.2 C22.1 C25.1 C26.1 C27.1 C28.1 C33.1 R19.1 R26.2 U1.18 U1.31 U1.47 U1.63 | length 15.6
  Bottom Layer w0.254: v1(53.772,46.812) 53.772,46.826 53.796,46.85 53.796,47.611 R26.2@53.797,47.612 ; C19.2@54.483,39.759 54.483,40.157 54.483,40.66 54.496,40.673 v1(54.496,40.687) ; v1(54.496,37.694) 54.496,38.151 C17.1@54.521,38.176 ; C22.1@55.944,43.434 56.793,43.434 56.831,43.473 v1(56.845,43.473) ; C33.1@55.944,45.695 v1(56.82,45.695) ; v1(61.011,36.703) 61.021,36.693 61.021,36.657 61.023,36.654 C28.1@61.023,35.789 ; C25.1@62.141,50.622 62.953,50.622 62.978,50.648 v1(62.992,50.648) ; v1(63.144,34.95) 63.144,34.937 63.157,34.924 R19.1@63.157,34.138 ; v1(63.823,38.913) 63.831,38.905 U1.63@63.831,37.706 ; v1(63.83,47.625) v1(63.83,47.625) U1.18@63.831,48.705 ; U1.31@70.331,48.705 70.331,49.884 70.685,50.238 C26.1@70.685,50.654 ; C26.1@70.599,50.784 C26.1@70.717,50.902 ; C26.1@70.666,50.673 C26.1@70.685,50.654 ; C26.1@70.685,50.673 C26.1@70.685,50.733 ; v1(71.512,39.954) 71.513,39.956 U1.47@72.581,39.956 74.549,39.956 74.803,39.702 C27.1@74.803,39.586 ; v1(71.526,50.622) 70.717,50.622 C26.1@70.685,50.654
  other v1: 64.581,40.513 66.853,41.107 67.608,41.12 64.567,41.285 69.444,42.647 69.444,43.332 64.846,43.409 65.71,43.637 65.253,45.237 66.294,45.237
ENC_A: JP3.20 U1.59 | length 40.5
  Bottom Layer w0.203: JP3.20@49.809,3.81 52.095,6.096 52.095,19.442 65.831,33.178 U1.59@65.831,37.706
ENC_B: JP3.19 U1.58 | length 43.3
  Bottom Layer w0.203: JP3.19@49.809,1.27 51.156,2.616 51.156,4.559 52.451,5.855 52.451,19.295 66.331,33.175 U1.58@66.331,37.706
ENC_KEY: JP3.14 U1.4 | length 46
  Bottom Layer w0.178: JP3.14@42.189,3.81 42.189,4.775 47.269,9.855 47.269,17.472 58.979,29.181 58.979,39.7 60.234,40.956 U1.4@61.582,40.956
FAN: R40.2 U1.17 | length 79.1
  Top Layer w0.152: v1(51.892,50.8) 52.756,49.936 v1(54.204,49.936) ; v1(60.325,48.743) 60.35,48.717 v1(61.29,48.717)
  Bottom Layer w0.152: R40.2@5.69,81.191 5.69,81.083 6.458,80.315 19.9,80.315 20.472,79.743 20.472,69.621 21.311,68.783 27.915,68.783 33.934,62.763 33.934,59.487 34.747,58.674 40.818,58.674 48.692,50.8 v1(51.892,50.8) ; v1(54.204,49.936) 55.448,49.936 55.677,49.708 59.36,49.708 v1(60.325,48.743) ; v1@61.213,48.717 v1(61.29,48.717) 61.302,48.705 U1.17@63.331,48.705
FB: D8.2 D9.2 IC2.6 R25.1 R27.2 | length 41
  Top Layer w0.152: v1(41.529,21.209) 41.58,21.158 41.554,21.133 v1(41.554,18.821)
  Top Layer w0.254: v1(41.173,26.949) 41.161,26.962 41.161,26.975 41.173,26.987 v1(41.173,27.762) v1(41.173,29.083)
  Bottom Layer w0.152: v1(41.554,18.821) 41.554,14.655 41.58,14.629 41.542,14.592 42.215,13.919 44.515,13.919 44.996,13.438 44.996,13.33 45.32,13.007 R27.2@45.428,13.007
  Bottom Layer w0.254: D8.2@31.297,26.619 D9.2@33.222,26.619 34.365,27.762 v1@41.097,27.762 ; v1(41.173,26.949) 41.516,26.607 41.516,21.258 41.519,21.255 41.519,21.219 v1(41.529,21.209) ; v1(41.173,29.083) 41.183,29.093 41.691,29.093 42.888,30.29 42.888,31.536 42.833,31.59 42.833,36.424 42.655,36.602 41.542,36.602 IC2.6@41.523,36.622 ; R27.2@45.428,13.007 45.453,12.981 R25.1@45.453,11.364
I2C_SCL: IC1.5 IC9.6 IC10.6 R15.1 SCL.1 U1.29 U4.9 | length 144.1
  Top Layer w0.152: v1@51.537,45.999 v1(51.537,45.898) 51.537,42.418 v1(51.562,42.393) ; v1(60.233,50.698) v1(60.233,53.315) ; v1(60.233,53.315) v1@60.234,54.456 ; v1@60.233,54.456 v1(60.234,54.458) ; v1(67.589,52.603) v1(68.732,51.46)
  Bottom Layer w0.152: U4.9@28.493,79.759 29.759,79.759 30.194,79.324 30.194,78.06 31.552,76.702 33.509,76.702 33.731,76.479 33.731,76.179 34.751,75.159 34.798,75.159 59.79,75.159 61.925,73.024 61.925,66.192 59.664,63.931 58.521,63.931 IC10.6@58.496,63.906 57.658,63.906 56.998,63.246 56.998,61.074 57.492,60.579 59.207,60.579 59.893,59.893 59.893,58.649 59.233,57.988 IC9.6@58.496,57.988 58.411,57.903 57.471,57.903 56.998,57.429 56.998,54.176 57.859,53.315 59.949,53.315 ; IC1.5@36.255,17.897 36.255,18.958 37.465,20.168 41.859,20.168 43.84,22.149 43.84,24.892 47.904,28.956 47.904,39.776 48.438,40.31 50.738,40.31 51.562,41.134 v1(51.562,42.393) ; v1(51.537,45.898) 51.537,47.932 54.302,50.698 v1(60.233,50.698) ; 60,53.315 v1(60.233,53.315) 66.853,53.315 67.564,52.603 v1(67.589,52.603) ; v1(60.234,54.458) 65.735,54.458 66.142,54.864 66.142,57.125 SCL.1@66.243,57.226 R15.1@66.243,59.474 ; v1(68.732,51.46) 68.707,51.435 69.331,50.811 U1.29@69.331,48.705
I2C_SDA: IC1.4 IC9.5 IC10.5 R16.1 SDA.1 U1.30 U4.10 | length 141.4
  Top Layer w0.152: v1(51.079,45.491) 51.092,45.479 51.092,41.999 v1(51.105,41.986) ; v1(59.79,54.864) 59.79,52.935 v1(59.792,52.934) v1(59.792,51.079) ; v1(67.183,52.248) 68.431,51 v1(69.701,51)
  Bottom Layer w0.152: U4.10@28.493,79.359 29.635,79.359 29.845,79.149 29.845,77.978 31.471,76.352 33.299,76.352 33.426,76.225 33.426,75.921 34.493,74.854 59.664,74.854 61.62,72.897 61.62,66.802 59.995,65.176 IC10.5@58.496,65.176 58.459,65.139 57.341,65.139 56.693,64.491 56.693,58.293 ; IC1.4@35.755,17.897 35.755,18.948 37.279,20.472 41.681,20.472 43.51,22.301 43.51,25.197 47.6,29.286 47.6,39.93 48.284,40.615 50.611,40.615 51.105,41.108 v1(51.105,41.986) ; v1(51.079,45.491) 51.079,47.906 54.253,51.079 v1(59.792,51.079) ; IC9.5@58.496,59.258 57.658,59.258 56.693,58.293 ; v1(59.79,54.864) 64.414,54.864 64.623,55.073 SDA.1@64.623,57.252 64.592,57.283 R16.1@64.592,59.474 ; v1(67.183,52.248) 66.497,52.934 v1(59.792,52.934) 57.809,52.934 56.693,54.05 56.693,58.293 ; v1(69.701,51) 69.831,50.869 U1.30@69.831,48.705
INTVCC: C32.2 D3.1 D4.1 IC2.19 R24.2 | length 16.2
  Bottom Layer w0.381: D4.1@30.074,36.69 30.315,36.449 C32.2@32.207,36.449 32.38,36.622 33.3,36.622 33.319,36.602 37.312,36.602 38.075,35.839 38.075,33.477 36.69,32.093 R24.2@36.69,31.039 34.747,31.039 D3.1@34.493,30.785
KEY1: JP3.17 U1.61 | length 44.4
  Bottom Layer w0.203: JP3.17@47.193,1.295 JP3.17@47.346,1.295 ; JP3.17@47.422,1.27 48.641,2.489 48.641,4.648 49.352,5.359 50.292,5.359 51.74,6.807 51.74,19.589 64.249,32.099 64.249,34.668 64.262,34.681 64.262,34.976 64.831,35.545 U1.61@64.831,37.706
KEY2: JP3.18 U1.62 | length 41.1
  Bottom Layer w0.178: JP3.18@47.269,3.81 49.251,5.791 50.14,5.791 51.397,7.049 51.397,19.731 63.906,32.241 63.906,35.115 64.331,35.54 U1.62@64.331,37.338
KEY3: JP3.16 U1.2 | length 44
  Bottom Layer w0.178: JP3.16@44.729,3.81 44.729,6.198 47.93,9.398 47.93,17.198 59.639,28.908 59.639,39.424 60.171,39.956 U1.2@61.582,39.956
KEY4: JP3.13 U1.3 | length 48
  Bottom Layer w0.178: JP3.13@42.189,1.27 42.41,1.491 42.41,1.694 43.561,2.845 43.561,5.611 47.6,9.65 47.6,17.335 59.309,29.044 59.309,39.56 60.204,40.456 U1.3@61.582,40.456
LED_B: JP3.29 U1.40 | length 50.4
  Bottom Layer w0.178: JP3.29@62.433,1.295 JP3.29@62.459,1.295 ; JP3.29@62.535,1.27 63.805,2.54 63.805,4.851 62.789,5.867 62.789,6.739 62.791,6.741 62.791,10.009 62.789,10.012 62.789,13.05 62.789,24.487 62.789,24.658 75.171,37.04 75.171,42.608 74.324,43.456 U1.40@72.581,43.456
LED_G: JP3.32 U1.39 | length 48.3
  Bottom Layer w0.178: JP3.32@65.049,3.81 65.049,4.674 63.12,6.603 63.121,6.605 63.121,10.146 63.119,10.148 63.119,13.187 63.119,24.35 63.119,24.521 75.501,36.903 75.501,42.745 74.291,43.956 U1.39@72.581,43.956
LED_R: JP3.31 U1.38 | length 52.4
  Bottom Layer w0.178: JP3.31@65.049,1.27 JP3.31@65.075,1.27 65.09,1.27 66.319,2.5 66.319,4.851 63.451,7.719 63.451,10.283 63.449,10.285 63.449,13.323 63.449,24.214 63.449,24.384 75.832,36.767 75.832,42.882 74.258,44.456 U1.38@72.581,44.456
LTC_EN: IC2.8 U1.10 | length 30.8
  Bottom Layer w0.152: IC2.8@41.523,35.322 40.332,35.322 39.472,36.182 39.472,40.716 40.64,41.885 49.575,41.885 52.166,44.475 58.75,44.475 59.27,43.956 U1.10@61.582,43.956
MOS_BAT: R12.1 U1.28 | length 38.6
  Top Layer w0.152: v1(60.376,48.209) v1(61.163,48.209) ; v1(63.5,46.99) 63.703,46.787 v1(64.541,46.787)
  Bottom Layer w0.152: R12.1@39.268,49.155 39.592,48.831 39.592,48.455 44.892,43.155 49.479,43.155 52.457,46.133 52.457,48.422 53.439,49.403 58.953,49.403 60.144,48.212 60.373,48.212 v1(60.376,48.209) ; v1(61.163,48.209) 62.281,48.209 v1(63.5,46.99) ; v1(64.541,46.787) 64.567,46.812 67.843,46.812 68.831,47.8 U1.28@68.831,48.705
MOS_IN: R70.1 U1.25 | length 32.7
  Top Layer w0.152: v1(66.726,51.841) 67.361,51.206 v1(67.361,51.181)
  Bottom Layer w0.152: R70.1@60.757,68.593 60.757,67.882 59.931,67.056 57.201,67.056 56.388,66.243 56.388,53.923 57.835,52.476 66.091,52.476 v1(66.726,51.841) ; U1.25@67.331,48.705 67.361,48.735 v1(67.361,51.181)
MOS_OUT: R71.1 U1.24 | length 37.7
  Top Layer w0.152: v1(66.396,51.486) 66.85,51.031 66.85,50.803 v1(66.853,50.8)
  Bottom Layer w0.152: R71.1@46.228,65.392 47.968,67.132 55.169,67.132 56.083,66.218 56.083,53.797 57.785,52.095 65.839,52.095 66.319,51.615 66.319,51.603 66.396,51.527 v1(66.396,51.486) ; U1.24@66.831,48.705 66.853,48.727 v1(66.853,50.8)
NetB1_6: B1.6 C53.2 C57.1 IC8.3 Q16.2 R53.2 R54.1 | length 47.8
  Top Layer w0.508: v1(86.817,26.899) 86.843,26.899 v1(86.843,29.896)
  Bottom Layer w0.508: C53.2@77.241,3.899 C53.2@77.267,3.873 79.109,3.873 R54.1@79.833,3.149 ; B1.6@78.207,8.375 85.541,8.375 86.751,9.586 Q16.2@86.751,14.554 86.751,14.584 86.797,14.63 87.401,14.63 87.706,14.935 87.706,18.05 87.047,18.709 86.772,18.709 86.726,18.755 IC8.3@86.726,19.03 86.726,20.856 C57.1@86.703,20.879 86.817,20.993 v1(86.817,26.899) ; R53.2@83.922,41.974 83.922,41.866 84.068,41.719 84.176,41.719 86.868,39.027 86.868,29.515 86.843,29.54 v1(86.843,29.896)
NetB2_1: B2.1 IC9.3 | length 34.1
  Top Layer w0.254: v3(51.613,51.892) 51.232,51.892 50.876,51.537 50.876,48.946 v3(52.019,47.803) ; v3(52.019,46.38) 52.045,46.355 v3(52.045,43.053)
  Bottom Layer w0.254: v3(51.613,51.892) 51.638,51.867 52.007,51.867 53.429,53.289 53.962,53.289 55.296,54.623 55.296,56.734 54.108,57.922 53.062,57.922 IC9.3@52.996,57.988 ; v3@51.994,47.828 v3(52.019,47.803) v3(52.019,46.38) ; v3(52.045,43.053) 52.045,36.246 B2.1@57.428,30.863
NetC1_2: C1.2 D5.2 D6.2 IC3.1 | length 73.2
  Top Layer w0.508: v6(33.528,73.66) 33.528,74.397 v6(35.077,75.946) ; v6(68.097,83.795) 68.224,83.668 72.492,83.668 72.822,83.337 v6(72.873,83.337)
  Bottom Layer w0.508: D6.2@32.791,65.38 32.791,68.066 33.528,68.803 v6(33.528,73.66) ; v6(35.077,75.946) 51.46,75.946 ; D5.2@51.498,80.67 52.324,79.845 52.324,76.81 51.46,75.946 ; v6(68.097,83.795) 62.967,83.795 61.813,82.641 61.813,79.441 58.318,75.946 51.46,75.946 ; v6(72.873,83.337) 82.74,83.337 C1.2@82.944,83.541 82.944,84.442 82.273,85.113 81.242,85.113 IC3.1@81.164,85.192
NetC4_2: C4.2 U3.4 | length 2.8
  Bottom Layer w0.508: C4.2@65.227,76.822 65.1,76.695 C4.2@65.1,76.657 66.835,76.657 66.861,76.683 U3.4@67.635,76.683
NetC5_2: C5.2 CON1.1 RF1.2 TYPEC2.A4 TYPEC2.A9 TYPEC2.B4 TYPEC2.B9 U2.2 U2.16 | length 10.2
  Top Layer w0.152: U2.2@49.173,88.798 48.108,88.798 47.854,89.052 47.854,89.687 48.133,89.967 49.479,89.967 49.661,90.149 TYPEC2.A9@49.661,91.485 ; v6(54.051,89.433) 54.066,89.448 U2.16@55.15,89.448 ; TYPEC2.A4@54.761,91.485 54.761,90.06 55.059,89.762 55.059,89.539 U2.16@55.15,89.448 ; U2.16@55.373,89.448 U2.16@55.15,89.448
  Bottom Layer w0.152: C5.2@53.556,88.443 53.581,88.468 53.581,88.963 v6(54.051,89.433)
  Bottom Layer w0.254: C5.2@53.556,88.443 C5.2@53.659,88.443
  other v7: 50.851,93.548 52.21,93.548 53.569,93.548
NetC6_1: C6.1 R4.1 U4.32 | length 10.1
  Bottom Layer w0.178: R4.1@18.351,82.575 17.451,82.575 17.272,82.396 17.272,82.128 17.567,81.832 20.52,81.832 20.526,81.826 22.098,81.826 22.25,81.978 22.496,81.733 22.496,81.314 24.051,79.759 U4.32@24.643,79.759
NetC6_2: C6.2 R5.1 U4.31 | length 10.3
  Bottom Layer w0.178: R5.1@15.926,82.575 15.955,82.546 16.641,82.546 16.789,82.398 16.789,82.144 17.431,81.502 20.383,81.502 20.389,81.496 21.082,81.496 21.958,80.62 21.958,80.416 22.25,80.124 22.974,80.124 23.74,79.359 U4.31@24.643,79.359
NetC8_1: C8.1 R65.1 | length 1.7
  Bottom Layer w0.254: C8.1@30.543,73.228 R65.1@30.543,74.93
NetC9_2: C9.2 U3.7 X3.1 | length 7.2
  Bottom Layer w0.254: C9.2@63.373,76.111 63.373,76.238 64.931,77.797 64.931,78.341 65.204,78.614 X3.1@65.354,78.614 65.354,79.807 66.04,80.493 U3.7@67.635,80.493
  Bottom Layer w0.508: U3.7@67.59,80.475 U3.7@67.608,80.493
NetC10_2: C10.2 U4.29 | length 2.4
  Bottom Layer w0.152: C10.2@22.25,78.524 22.285,78.559 U4.29@24.643,78.559
NetC17_2: C17.2 U1.5 X2.1 | length 9.9
  Bottom Layer w0.254: C17.2@54.496,36.69 54.496,36.817 54.75,37.071 54.764,37.071 55.361,37.668 56.755,37.668 56.793,37.706 57.335,38.248 58.225,38.248 58.61,38.633 58.61,39.894 60.173,41.456 U1.5@61.582,41.456
NetC19_1: C19.1 U1.6 X2.2 | length 8.8
  Bottom Layer w0.254: C19.1@54.272,41.863 C19.1@54.521,41.614 ; C19.1@54.496,41.999 54.496,41.872 54.75,41.618 54.877,41.618 55.289,41.206 56.793,41.206 57.587,40.411 58.471,40.411 60.015,41.956 U1.6@61.582,41.956
NetC20_2: C20.2 U3.8 X3.2 | length 4.3
  Bottom Layer w0.254: C20.2@63.398,81.724 65.354,81.724 67.597,81.724 U3.8@67.635,81.763
NetC23_2: C23.2 IC2.2 | length 6
  Top Layer w0.254: v3(41.021,41.453) 41.046,41.478 v3(41.046,42.926)
  Bottom Layer w0.254: v3(41.021,41.453) 40.005,40.437 40.005,39.548 40.354,39.199 41.5,39.199 IC2.2@41.523,39.222 ; v3(41.046,42.926) 41.046,43.392 C23.2@41.11,43.456
  Bottom Layer w0.381: IC2.2@41.523,39.222 IC2.2@41.527,39.218
NetC24_1: C24.1 IC2.4 R22.1 | length 8.9
  Bottom Layer w0.152: IC2.4@41.523,37.922 42.741,37.922 43.496,37.167 43.496,36.057 44.806,34.748 44.806,34.176 44.716,34.087 44.153,34.087 C24.1@44.056,33.99 44.183,33.99 44.488,33.685 44.591,33.685 45.644,32.633 R22.1@45.644,32.525
NetC24_2: C24.2 IC2.3 R20.1 | length 9.4
  Top Layer w0.152: v3(44.526,32.893) 44.615,32.893 v3(45.453,33.731)
  Bottom Layer w0.152: IC2.3@41.523,38.572 42.522,38.572 43.866,37.228 43.866,36.119 45.11,34.874 45.11,34.214 45.263,34.061 45.84,34.061 C24.2@45.91,33.99 C24.2@45.695,33.774 ; R20.1@44.323,32.525 44.323,32.741 44.475,32.893 v3(44.526,32.893)
NetC29_1: C29.1 R23.2 | length 1.7
  Bottom Layer w0.254: R23.2@45.91,39.294 45.91,37.643 C29.1@45.974,37.579
NetC30_1: C30.1 IC2.5 R23.1 | length 5.6
  Top Layer w0.254: v3(42.723,37.211) 43.053,37.211 43.833,37.991 v3(43.84,37.991)
  Bottom Layer w0.254: IC2.5@41.523,37.272 41.554,37.24 42.694,37.24 v3(42.723,37.211) ; v3(43.84,37.991) 43.84,38 44.056,38.216 R23.1@44.056,39.294 C30.1@44.056,40.869
NetC31_1: C31.1 IC2.21 R21.2 | length 10
  Bottom Layer w0.381: IC2.21@34.423,37.922 37.845,37.922 38.176,38.252 38.176,39.277 38.659,39.759 C31.1@38.659,42.608 R21.2@37.084,42.608
NetC33_2: C33.2 L4.2 U1.13 | length 5.6
  Bottom Layer w0.254: L4.2@57.785,47.371 57.785,45.707 C33.2@57.798,45.695 58.037,45.456 U1.13@61.582,45.456
NetC34_1: C34.1 IC2.12 | length 2
  Bottom Layer w0.381: IC2.12@41.523,32.722 41.685,32.722 41.719,32.687 C34.1@41.719,30.861
NetC40_1: C40.1 D8.1 IC4.1 | length 12
  Bottom Layer w0.254: C40.1@27.457,24.676 27.457,25.579 28.124,26.246 28.124,26.346 28.397,26.619 D8.1@28.497,26.619 28.597,26.619 28.871,26.346 28.871,26.246 29.767,25.349 30.886,25.349 31.651,24.584 31.651,21.145 31.105,20.599 IC4.1@29.813,20.599
NetC40_2: C40.2 IC4.2 R37.2 | length 4.3
  Bottom Layer w0.254: R37.2@27.432,20.892 27.457,20.917 27.457,21.869 ; C40.2@27.457,22.822 27.457,21.869 ; IC4.2@29.813,21.869 27.457,21.869
  Bottom Layer w0.508: C40.2@27.432,22.796 C40.2@27.457,22.822
NetC41_2: C41.2 IC5.2 R36.2 | length 6.8
  Bottom Layer w0.381: R36.2@70.536,18.732 70.536,18.625 70.745,18.415 70.853,18.415 71.412,17.856 73.228,17.856 73.635,18.263 IC5.2@73.635,19.03 73.565,19.1 73.565,19.882 72.885,20.561 72.885,20.688 72.695,20.879 C41.2@72.568,20.879
NetC42_2: C42.2 IC6.15 R42.2 | length 4.6
  Bottom Layer w0.381: C42.2@75.59,29.362 R42.2@77.216,29.362 ; R42.2@77.221,29.299 77.221,29.407 77.431,29.616 77.539,29.616 78.258,30.336 IC6.15@78.258,31.758